# Altium PCB mantarray_beta2_sensor.PcbDoc (part 4 of 5)
Units mm, origin at the board's own origin, x right, y up, seen from the top; angles counter-clockwise.
Board outline 194.65 x 250 mm, 6 copper layers (Top Layer, GND1, Signal1, Int3 (Sign), AVDD, Bottom Layer), stack 1.551 mm thick; 528 components, 0 nets, 3971 pads, 590 vias.
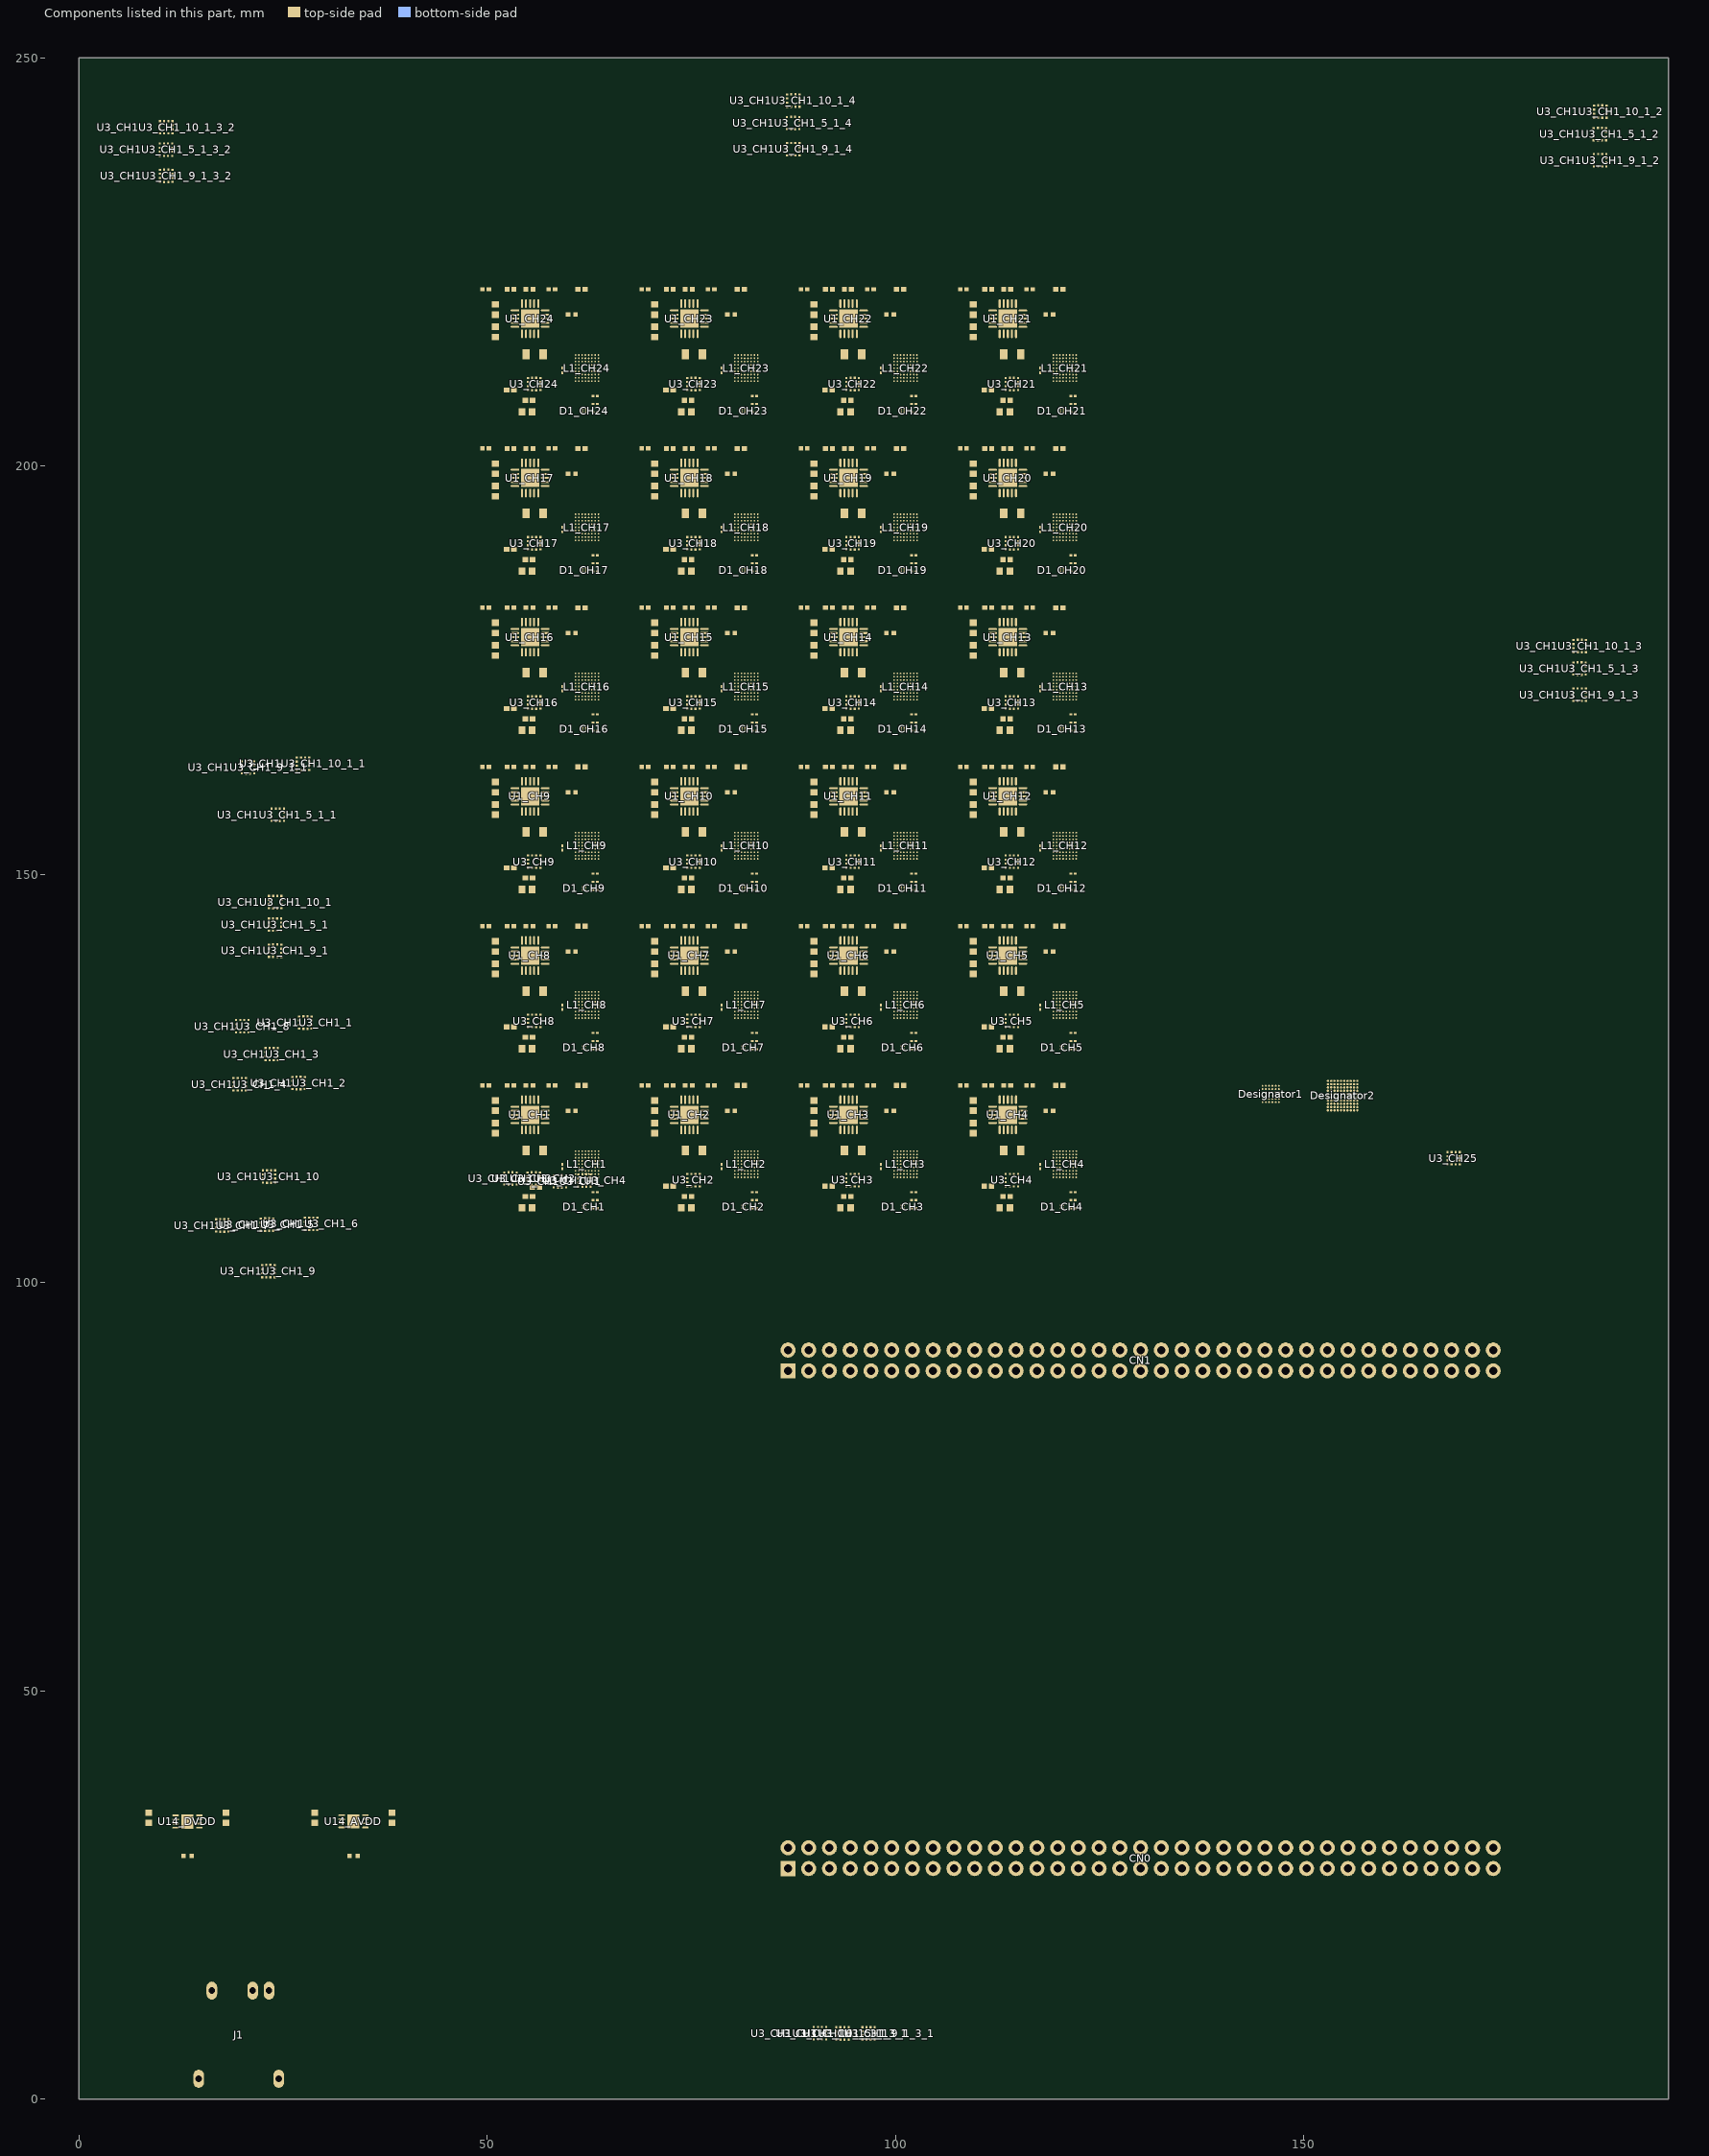
[diagram p7: the components of this part, seen from the top]

## Via types
v1: diameter 0.508, hole 0.203, Top Layer to Bottom Layer, 292 vias
v2: diameter 0.457, hole 0.152, Top Layer to Bottom Layer, 196 vias
v3: diameter 0.5, hole 0.2, Top Layer to Bottom Layer, 100 vias
v4: diameter 1.8, hole 1.2, Top Layer to Bottom Layer, 2 vias

## Nets (pads, with @x,y where several pads share a name; then routed paths per layer and width w, separated by ;. In a path a pad name is that pad's centre, name@x,y a point inside that pad or via, vN(x,y) a via of type N, cw(c..) or ccw(c..) an arc to the next point about the centre after c; other vN are vias at no path point) (continued)
copper on no net: | length 2911.2
  Top Layer w0.127: 50.2,124.15 v2(51.312,124.15) 52.425,124.15 ; 50.2,143.65 v2(51.312,143.65) 52.425,143.65 ; 50.2,163.15 v2(51.312,163.15) 52.425,163.15 ; 50.2,182.65 v2(51.312,182.65) 52.425,182.65 ; 50.2,202.15 v2(51.312,202.15) 52.425,202.15 ; 50.2,221.65 v2(51.312,221.65) 52.425,221.65 ; 53.215,131.3 54.987,131.3 ; 53.215,150.8 54.987,150.8 ; 53.215,170.3 54.987,170.3 ; 53.215,189.8 54.987,189.8 ; 53.215,209.3 54.987,209.3 ; 53.275,121.55 53.275,124.15 ; 53.275,141.05 53.275,143.65 ; 53.275,160.55 53.275,163.15 ; 53.275,180.05 53.275,182.65 ; 53.275,199.55 53.275,202.15 ; 53.275,219.05 53.275,221.65 ; 54.25,122.4 54.75,122.4 54.75,124.15 ; 54.25,141.9 54.75,141.9 54.75,143.65 ; 54.25,161.4 54.75,161.4 54.75,163.15 ; 54.25,180.9 54.75,180.9 54.75,182.65 ; 54.25,200.4 54.75,200.4 54.75,202.15 ; 54.25,219.9 54.75,219.9 54.75,221.65 ; 55.499,109.223 55.476,109.2 55.5,109.176 55.5,109.15 ; 55.499,128.723 55.476,128.7 55.5,128.676 55.5,128.65 ; 55.499,148.223 55.476,148.2 55.5,148.176 55.5,148.15 ; 55.499,167.723 55.476,167.7 55.5,167.676 55.5,167.65 ; 55.499,187.223 55.476,187.2 55.5,187.176 55.5,187.15 ; 55.499,206.723 55.476,206.7 55.5,206.676 55.5,206.65 ; 55.6,124.15 v2(56.567,124.15) 57.535,124.15 ; 55.6,143.65 v2(56.567,143.65) 57.535,143.65 ; 55.6,163.15 v2(56.567,163.15) 57.535,163.15 ; 55.6,182.65 v2(56.567,182.65) 57.535,182.65 ; 55.6,202.15 v2(56.567,202.15) 57.535,202.15 ; 55.6,221.65 v2(56.567,221.65) 57.535,221.65 ; 56.365,111.65 58.137,111.65 ; v2(60.1,124.15) 61.11,124.15 ; v2(60.1,143.65) 61.11,143.65 ; v2(60.1,163.15) 61.11,163.15 ; v2(60.1,182.65) 61.11,182.65 ; v2(60.1,202.15) 61.11,202.15 ; v2(60.1,221.65) 61.11,221.65 ; 61.7,109.45 61.7,110.6 62.175,111.075 62.95,111.075 ; 61.7,128.95 61.7,130.1 62.175,130.575 62.95,130.575 ; 61.7,148.45 61.7,149.6 62.175,150.075 62.95,150.075 ; 61.7,167.95 61.7,169.1 62.175,169.575 62.95,169.575 ; 61.7,187.45 61.7,188.6 62.175,189.075 62.95,189.075 ; 61.7,206.95 61.7,208.1 62.175,208.575 62.95,208.575 ; 61.99,124.15 v2(62.95,124.15) ; 61.99,143.65 v2(62.95,143.65) ; 61.99,163.15 v2(62.95,163.15) ; 61.99,182.65 v2(62.95,182.65) ; 61.99,202.15 v2(62.95,202.15) ; 61.99,221.65 v2(62.95,221.65) ; 62.05,109.1 62.95,109.1 ; 62.05,109.45 62.05,109.8 62.35,110.1 62.95,110.1 ; 62.05,128.6 62.95,128.6 ; 62.05,128.95 62.05,129.3 62.35,129.6 62.95,129.6 ; 62.05,148.1 62.95,148.1 ; 62.05,148.45 62.05,148.8 62.35,149.1 62.95,149.1 ; 62.05,167.6 62.95,167.6 ; 62.05,167.95 62.05,168.3 62.35,168.6 62.95,168.6 ; 62.05,187.1 62.95,187.1 ; 62.05,187.45 62.05,187.8 62.35,188.1 62.95,188.1 ; 62.05,206.6 62.95,206.6 ; 62.05,206.95 62.05,207.3 62.35,207.6 62.95,207.6 ; 69.7,124.15 v2(70.812,124.15) 71.925,124.15 ; 69.7,143.65 v2(70.812,143.65) 71.925,143.65 ; 69.7,163.15 v2(70.812,163.15) 71.925,163.15 ; 69.7,182.65 v2(70.812,182.65) 71.925,182.65 ; 69.7,202.15 v2(70.812,202.15) 71.925,202.15 ; 69.7,221.65 v2(70.812,221.65) 71.925,221.65 ; 72.715,111.8 74.487,111.8 ; 72.715,131.3 74.487,131.3 ; 72.715,150.8 74.487,150.8 ; 72.715,170.3 74.487,170.3 ; 72.715,189.8 74.487,189.8 ; 72.715,209.3 74.487,209.3 ; 72.775,121.55 72.775,124.15 ; 72.775,141.05 72.775,143.65 ; 72.775,160.55 72.775,163.15 ; 72.775,180.05 72.775,182.65 ; 72.775,199.55 72.775,202.15 ; 72.775,219.05 72.775,221.65 ; 73.75,122.4 74.25,122.4 74.25,124.15 ; 73.75,141.9 74.25,141.9 74.25,143.65 ; 73.75,161.4 74.25,161.4 74.25,163.15 ; 73.75,180.9 74.25,180.9 74.25,182.65 ; 73.75,200.4 74.25,200.4 74.25,202.15 ; 73.75,219.9 74.25,219.9 74.25,221.65 ; 74.999,109.223 74.976,109.2 75,109.176 75,109.15 ; 74.999,128.723 74.976,128.7 75,128.676 75,128.65 ; 74.999,148.223 74.976,148.2 75,148.176 75,148.15 ; 74.999,167.723 74.976,167.7 75,167.676 75,167.65 ; 74.999,187.223 74.976,187.2 75,187.176 75,187.15 ; 74.999,206.723 74.976,206.7 75,206.676 75,206.65 ; 75.1,124.15 v2(76.068,124.15) 77.035,124.15 ; 75.1,143.65 v2(76.068,143.65) 77.035,143.65 ; 75.1,163.15 v2(76.068,163.15) 77.035,163.15 ; 75.1,182.65 v2(76.068,182.65) 77.035,182.65 ; 75.1,202.15 v2(76.068,202.15) 77.035,202.15 ; 75.1,221.65 v2(76.068,221.65) 77.035,221.65 ; v2(79.6,124.15) 80.61,124.15 ; v2(79.6,143.65) 80.61,143.65 ; v2(79.6,163.15) 80.61,163.15 ; v2(79.6,182.65) 80.61,182.65 ; v2(79.6,202.15) 80.61,202.15 ; v2(79.6,221.65) 80.61,221.65 ; 81.2,109.45 81.2,110.6 81.675,111.075 82.45,111.075 ; 81.2,128.95 81.2,130.1 81.675,130.575 82.45,130.575 ; 81.2,148.45 81.2,149.6 81.675,150.075 82.45,150.075 ; 81.2,167.95 81.2,169.1 81.675,169.575 82.45,169.575 ; 81.2,187.45 81.2,188.6 81.675,189.075 82.45,189.075 ; 81.2,206.95 81.2,208.1 81.675,208.575 82.45,208.575 ; 81.49,124.15 v2(82.45,124.15) ; 81.49,143.65 v2(82.45,143.65) ; 81.49,163.15 v2(82.45,163.15) ; 81.49,182.65 v2(82.45,182.65) ; 81.49,202.15 v2(82.45,202.15) ; 81.49,221.65 v2(82.45,221.65) ; 81.55,109.1 82.45,109.1 ; 81.55,109.45 81.55,109.8 81.85,110.1 82.45,110.1 ; 81.55,128.6 82.45,128.6 ; 81.55,128.95 81.55,129.3 81.85,129.6 82.45,129.6 ; 81.55,148.1 82.45,148.1 ; 81.55,148.45 81.55,148.8 81.85,149.1 82.45,149.1 ; 81.55,167.6 82.45,167.6 ; 81.55,167.95 81.55,168.3 81.85,168.6 82.45,168.6 ; 81.55,187.1 82.45,187.1 ; 81.55,187.45 81.55,187.8 81.85,188.1 82.45,188.1 ; 81.55,206.6 82.45,206.6 ; 81.55,206.95 81.55,207.3 81.85,207.6 82.45,207.6 ; 89.2,124.15 v2(90.313,124.15) 91.425,124.15 ; 89.2,143.65 v2(90.313,143.65) 91.425,143.65 ; 89.2,163.15 v2(90.313,163.15) 91.425,163.15 ; 89.2,182.65 v2(90.313,182.65) 91.425,182.65 ; 89.2,202.15 v2(90.313,202.15) 91.425,202.15 ; 89.2,221.65 v2(90.313,221.65) 91.425,221.65 ; 92.215,111.8 93.987,111.8 ; 92.215,131.3 93.987,131.3 ; 92.215,150.8 93.987,150.8 ; 92.215,170.3 93.987,170.3 ; 92.215,189.8 93.987,189.8 ; 92.215,209.3 93.987,209.3 ; 92.275,121.55 92.275,124.15 ; 92.275,141.05 92.275,143.65 ; 92.275,160.55 92.275,163.15 ; 92.275,180.05 92.275,182.65 ; 92.275,199.55 92.275,202.15 ; 92.275,219.05 92.275,221.65 ; 93.25,122.4 93.75,122.4 93.75,124.15 ; 93.25,141.9 93.75,141.9 93.75,143.65 ; 93.25,161.4 93.75,161.4 93.75,163.15 ; 93.25,180.9 93.75,180.9 93.75,182.65 ; 93.25,200.4 93.75,200.4 93.75,202.15 ; 93.25,219.9 93.75,219.9 93.75,221.65 ; 94.5,109.15 94.5,109.176 94.476,109.2 94.499,109.223 ; 94.5,128.65 94.5,128.676 94.476,128.7 94.499,128.723 ; 94.5,148.15 94.5,148.176 94.476,148.2 94.499,148.223 ; 94.5,167.65 94.5,167.676 94.476,167.7 94.499,167.723 ; 94.5,187.15 94.5,187.176 94.476,187.2 94.499,187.223 ; 94.5,206.65 94.5,206.676 94.476,206.7 94.499,206.723 ; 94.6,124.15 v2(95.568,124.15) 96.535,124.15 ; 94.6,143.65 v2(95.568,143.65) 96.535,143.65 ; 94.6,163.15 v2(95.568,163.15) 96.535,163.15 ; 94.6,182.65 v2(95.568,182.65) 96.535,182.65 ; 94.6,202.15 v2(95.568,202.15) 96.535,202.15 ; 94.6,221.65 v2(95.568,221.65) 96.535,221.65 ; v2(99.1,124.15) 100.11,124.15 ; v2(99.1,143.65) 100.11,143.65 ; v2(99.1,163.15) 100.11,163.15 ; v2(99.1,182.65) 100.11,182.65 ; v2(99.1,202.15) 100.11,202.15 ; v2(99.1,221.65) 100.11,221.65 ; 100.7,109.45 100.7,110.6 101.175,111.075 101.95,111.075 ; 100.7,128.95 100.7,130.1 101.175,130.575 101.95,130.575 ; 100.7,148.45 100.7,149.6 101.175,150.075 101.95,150.075 ; 100.7,167.95 100.7,169.1 101.175,169.575 101.95,169.575 ; 100.7,187.45 100.7,188.6 101.175,189.075 101.95,189.075 ; 100.7,206.95 100.7,208.1 101.175,208.575 101.95,208.575 ; 100.99,124.15 v2(101.95,124.15) ; 100.99,143.65 v2(101.95,143.65) ; 100.99,163.15 v2(101.95,163.15) ; 100.99,182.65 v2(101.95,182.65) ; 100.99,202.15 v2(101.95,202.15) ; 100.99,221.65 v2(101.95,221.65) ; 101.05,109.1 101.95,109.1 ; 101.05,109.45 101.05,109.8 101.35,110.1 101.95,110.1 ; 101.05,128.6 101.95,128.6 ; 101.05,128.95 101.05,129.3 101.35,129.6 101.95,129.6 ; 101.05,148.1 101.95,148.1 ; 101.05,148.45 101.05,148.8 101.35,149.1 101.95,149.1 ; 101.05,167.6 101.95,167.6 ; 101.05,167.95 101.05,168.3 101.35,168.6 101.95,168.6 ; 101.05,187.1 101.95,187.1 ; 101.05,187.45 101.05,187.8 101.35,188.1 101.95,188.1 ; 101.05,206.6 101.95,206.6 ; 101.05,206.95 101.05,207.3 101.35,207.6 101.95,207.6 ; 108.7,124.15 v2(109.813,124.15) 110.925,124.15 ; 108.7,143.65 v2(109.813,143.65) 110.925,143.65 ; 108.7,163.15 v2(109.813,163.15) 110.925,163.15 ; 108.7,182.65 v2(109.813,182.65) 110.925,182.65 ; 108.7,202.15 v2(109.813,202.15) 110.925,202.15 ; 108.7,221.65 v2(109.813,221.65) 110.925,221.65 ; 111.715,111.8 113.487,111.8 ; 111.715,131.3 113.487,131.3 ; 111.715,150.8 113.487,150.8 ; 111.715,170.3 113.487,170.3 ; 111.715,189.8 113.487,189.8 ; 111.715,209.3 113.487,209.3 ; 111.775,121.55 111.775,124.15 ; 111.775,141.05 111.775,143.65 ; 111.775,160.55 111.775,163.15 ; 111.775,180.05 111.775,182.65 ; 111.775,199.55 111.775,202.15 ; 111.775,219.05 111.775,221.65 ; 112.75,122.4 113.25,122.4 113.25,124.15 ; 112.75,141.9 113.25,141.9 113.25,143.65 ; 112.75,161.4 113.25,161.4 113.25,163.15 ; 112.75,180.9 113.25,180.9 113.25,182.65 ; 112.75,200.4 113.25,200.4 113.25,202.15 ; 112.75,219.9 113.25,219.9 113.25,221.65 ; 113.999,109.223 113.976,109.2 114,109.176 114,109.15 ; 113.999,128.723 113.976,128.7 114,128.676 114,128.65 ; 113.999,148.223 113.976,148.2 114,148.176 114,148.15 ; 113.999,167.723 113.976,167.7 114,167.676 114,167.65 ; 113.999,187.223 113.976,187.2 114,187.176 114,187.15 ; 113.999,206.723 113.976,206.7 114,206.676 114,206.65 ; 114.1,124.15 v2(115.068,124.15) 116.035,124.15 ; 114.1,143.65 v2(115.068,143.65) 116.035,143.65 ; 114.1,163.15 v2(115.068,163.15) 116.035,163.15 ; 114.1,182.65 v2(115.068,182.65) 116.035,182.65 ; 114.1,202.15 v2(115.068,202.15) 116.035,202.15 ; 114.1,221.65 v2(115.068,221.65) 116.035,221.65 ; v2(118.6,124.15) 119.61,124.15 ; v2(118.6,143.65) 119.61,143.65 ; v2(118.6,163.15) 119.61,163.15 ; v2(118.6,182.65) 119.61,182.65 ; v2(118.6,202.15) 119.61,202.15 ; v2(118.6,221.65) 119.61,221.65 ; 120.2,109.45 120.2,110.6 120.675,111.075 121.45,111.075 ; 120.2,128.95 120.2,130.1 120.675,130.575 121.45,130.575 ; 120.2,148.45 120.2,149.6 120.675,150.075 121.45,150.075 ; 120.2,167.95 120.2,169.1 120.675,169.575 121.45,169.575 ; 120.2,187.45 120.2,188.6 120.675,189.075 121.45,189.075 ; 120.2,206.95 120.2,208.1 120.675,208.575 121.45,208.575 ; 120.49,124.15 v2(121.45,124.15) ; 120.49,143.65 v2(121.45,143.65) ; 120.49,163.15 v2(121.45,163.15) ; 120.49,182.65 v2(121.45,182.65) ; 120.49,202.15 v2(121.45,202.15) ; 120.49,221.65 v2(121.45,221.65) ; 120.55,109.1 121.45,109.1 ; 120.55,109.45 120.55,109.8 120.85,110.1 121.45,110.1 ; 120.55,128.6 121.45,128.6 ; 120.55,128.95 120.55,129.3 120.85,129.6 121.45,129.6 ; 120.55,148.1 121.45,148.1 ; 120.55,148.45 120.55,148.8 120.85,149.1 121.45,149.1 ; 120.55,167.6 121.45,167.6 ; 120.55,167.95 120.55,168.3 120.85,168.6 121.45,168.6 ; 120.55,187.1 121.45,187.1 ; 120.55,187.45 120.55,187.8 120.85,188.1 121.45,188.1 ; 120.55,206.6 121.45,206.6 ; 120.55,206.95 120.55,207.3 120.85,207.6 121.45,207.6
  Top Layer w0.152: 12.799,29.775 12.799,30.897 v1(12.802,30.9) ; 33.125,29.8 33.125,30.923 v1(33.128,30.925) ; 55.25,122.4 55.25,123 55.4,123.15 57.733,123.15 v1(58.297,122.586) ; 55.25,141.9 55.25,142.5 55.4,142.65 57.733,142.65 v1(58.297,142.086) ; 55.25,161.4 55.25,162 55.4,162.15 57.733,162.15 v1(58.297,161.586) ; 55.25,180.9 55.25,181.5 55.4,181.65 57.733,181.65 v1(58.297,181.086) ; 55.25,200.4 55.25,201 55.4,201.15 57.733,201.15 v1(58.297,200.586) ; 55.25,219.9 55.25,220.5 55.4,220.65 57.733,220.65 v1(58.297,220.086) ; 74.75,122.4 74.75,123 74.9,123.15 77.233,123.15 v1(77.797,122.586) ; 74.75,141.9 74.75,142.5 74.9,142.65 77.233,142.65 v1(77.797,142.086) ; 74.75,161.4 74.75,162 74.9,162.15 77.233,162.15 v1(77.797,161.586) ; 74.75,180.9 74.75,181.5 74.9,181.65 77.233,181.65 v1(77.797,181.086) ; 74.75,200.4 74.75,201 74.9,201.15 77.233,201.15 v1(77.797,200.586) ; 74.75,219.9 74.75,220.5 74.9,220.65 77.233,220.65 v1(77.797,220.086) ; 94.25,122.4 94.25,123 94.4,123.15 96.733,123.15 v1(97.297,122.586) ; 94.25,141.9 94.25,142.5 94.4,142.65 96.733,142.65 v1(97.297,142.086) ; 94.25,161.4 94.25,162 94.4,162.15 96.733,162.15 v1(97.297,161.586) ; 94.25,180.9 94.25,181.5 94.4,181.65 96.733,181.65 v1(97.297,181.086) ; 94.25,200.4 94.25,201 94.4,201.15 96.733,201.15 v1(97.297,200.586) ; 94.25,219.9 94.25,220.5 94.4,220.65 96.733,220.65 v1(97.297,220.086) ; 113.75,122.4 113.75,123 113.9,123.15 116.233,123.15 v1(116.797,122.586) ; 113.75,141.9 113.75,142.5 113.9,142.65 116.233,142.65 v1(116.797,142.086) ; 113.75,161.4 113.75,162 113.9,162.15 116.233,162.15 v1(116.797,161.586) ; 113.75,180.9 113.75,181.5 113.9,181.65 116.233,181.65 v1(116.797,181.086) ; 113.75,200.4 113.75,201 113.9,201.15 116.233,201.15 v1(116.797,200.586) ; 113.75,219.9 113.75,220.5 113.9,220.65 116.233,220.65 v1(116.797,220.086)
  Top Layer w0.2: 55.499,109.223 55.499,110.55 55.499,111.788 ; 55.499,128.723 55.499,130.05 55.499,131.288 ; 55.499,148.223 55.499,149.55 55.499,150.788 ; 55.499,167.723 55.499,169.05 55.499,170.288 ; 55.499,187.223 55.499,188.55 55.499,189.788 ; 55.499,206.723 55.499,208.05 55.499,209.288 ; 74.999,109.223 74.999,110.55 74.999,111.788 ; 74.999,128.723 74.999,130.05 74.999,131.288 ; 74.999,148.223 74.999,149.55 74.999,150.788 ; 74.999,167.723 74.999,169.05 74.999,170.288 ; 74.999,187.223 74.999,188.55 74.999,189.788 ; 74.999,206.723 74.999,208.05 74.999,209.288 ; 94.499,109.223 94.499,110.55 94.499,111.788 ; 94.499,128.723 94.499,130.05 94.499,131.288 ; 94.499,148.223 94.499,149.55 94.499,150.788 ; 94.499,167.723 94.499,169.05 94.499,170.288 ; 94.499,187.223 94.499,188.55 94.499,189.788 ; 94.499,206.723 94.499,208.05 94.499,209.288 ; 113.999,109.223 113.999,110.55 113.999,111.788 ; 113.999,128.723 113.999,130.05 113.999,131.288 ; 113.999,148.223 113.999,149.55 113.999,150.788 ; 113.999,167.723 113.999,169.05 113.999,170.288 ; 113.999,187.223 113.999,188.55 113.999,189.788 ; 113.999,206.723 113.999,208.05 113.999,209.288